# Altium PCB Copy of [PCB]_MotherBoard.PcbDoc
Units mm, origin at the board's own origin, x right, y up, seen from the top; angles counter-clockwise.
Board outline 95 x 100 mm, 2 copper layers (Top Layer, Bottom Layer); 128 components, 89 nets, 413 pads, 0 vias.
Unrouted connection lines stored in the file: 118.
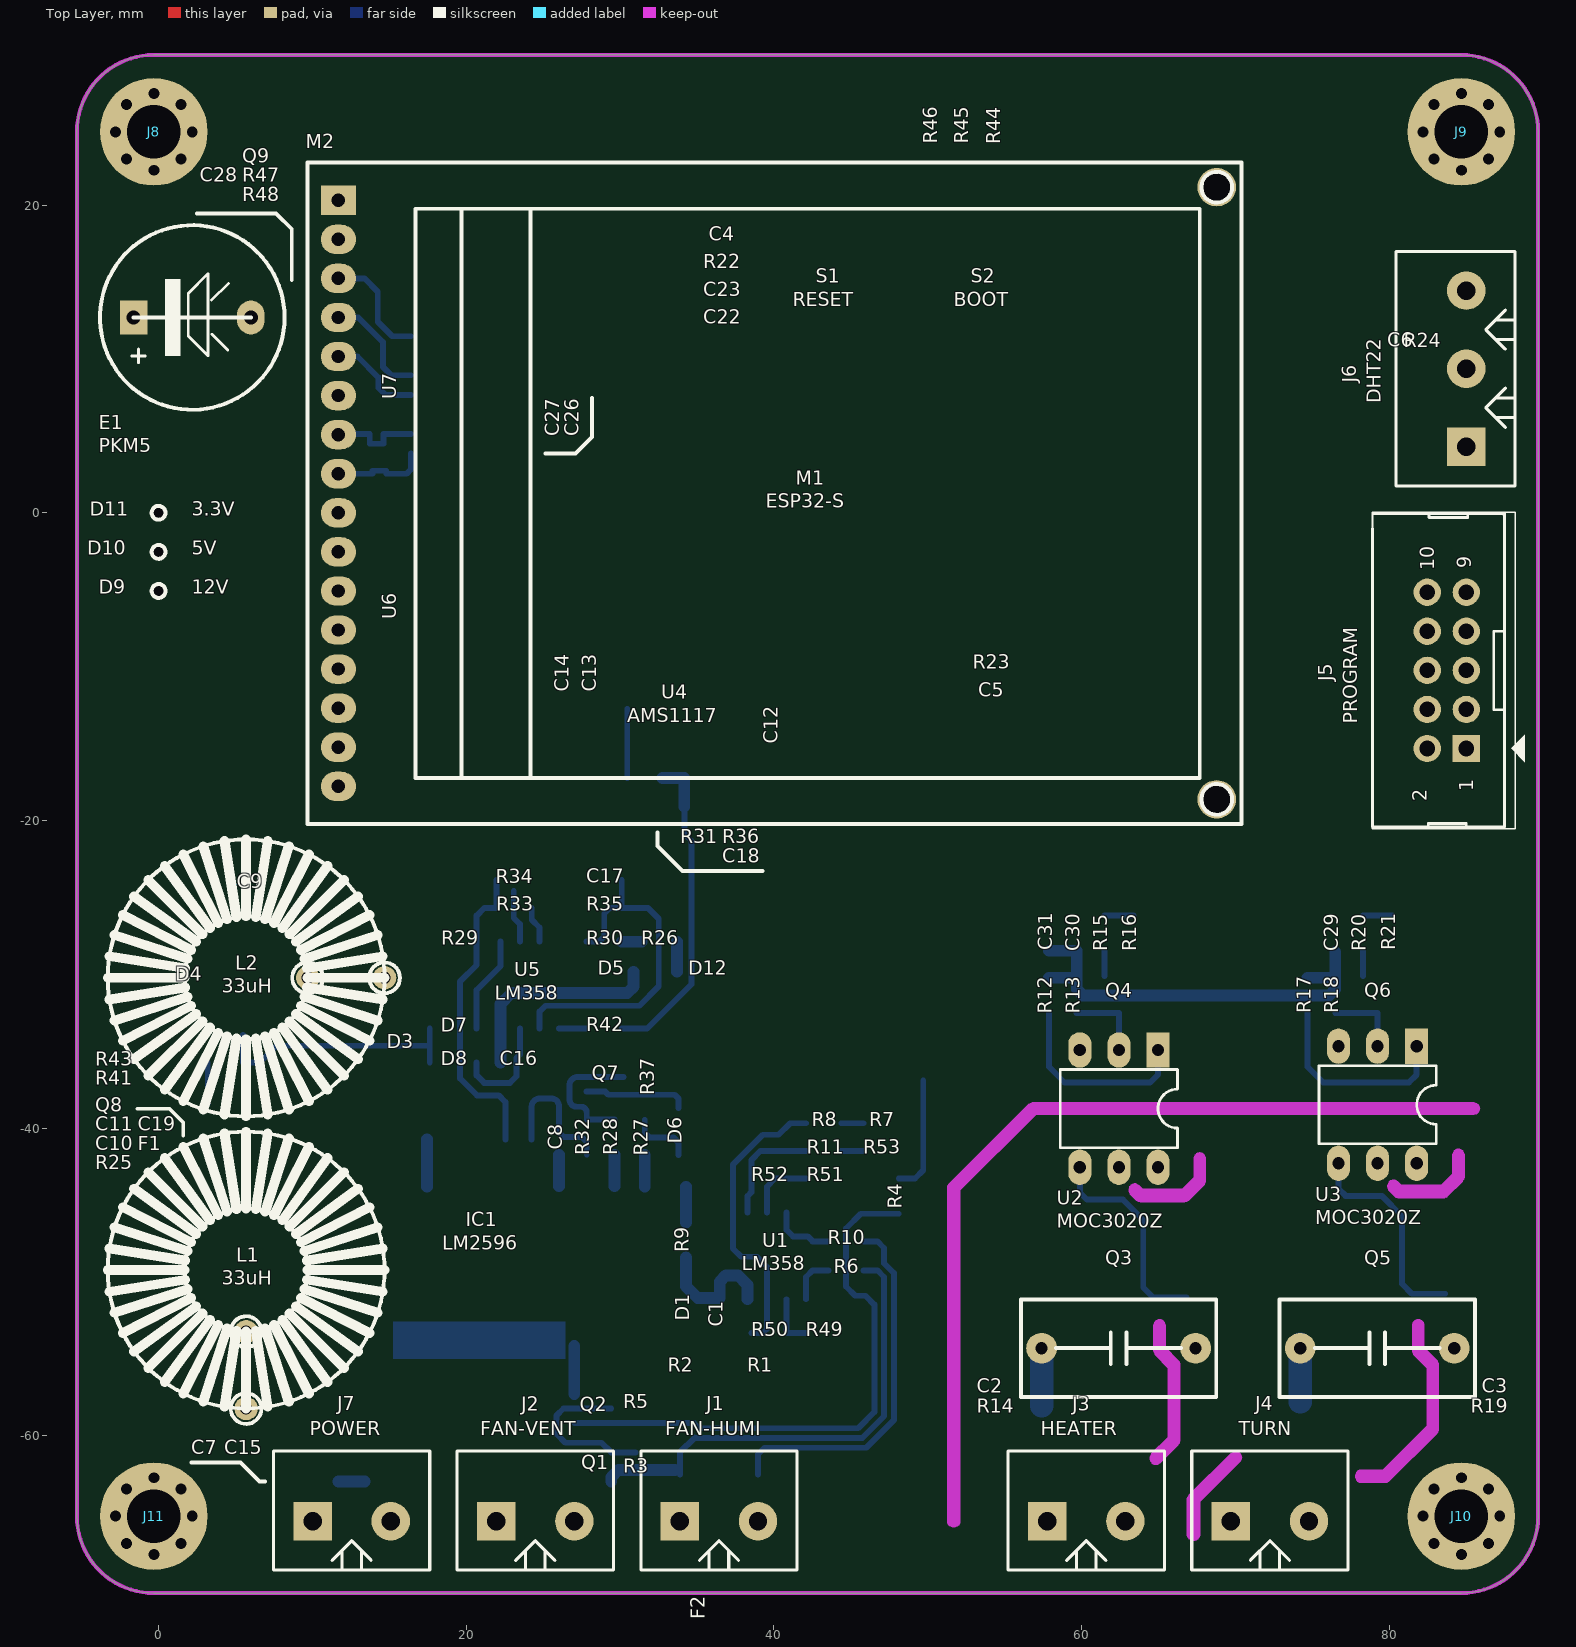
[diagram p0: Top Layer view]
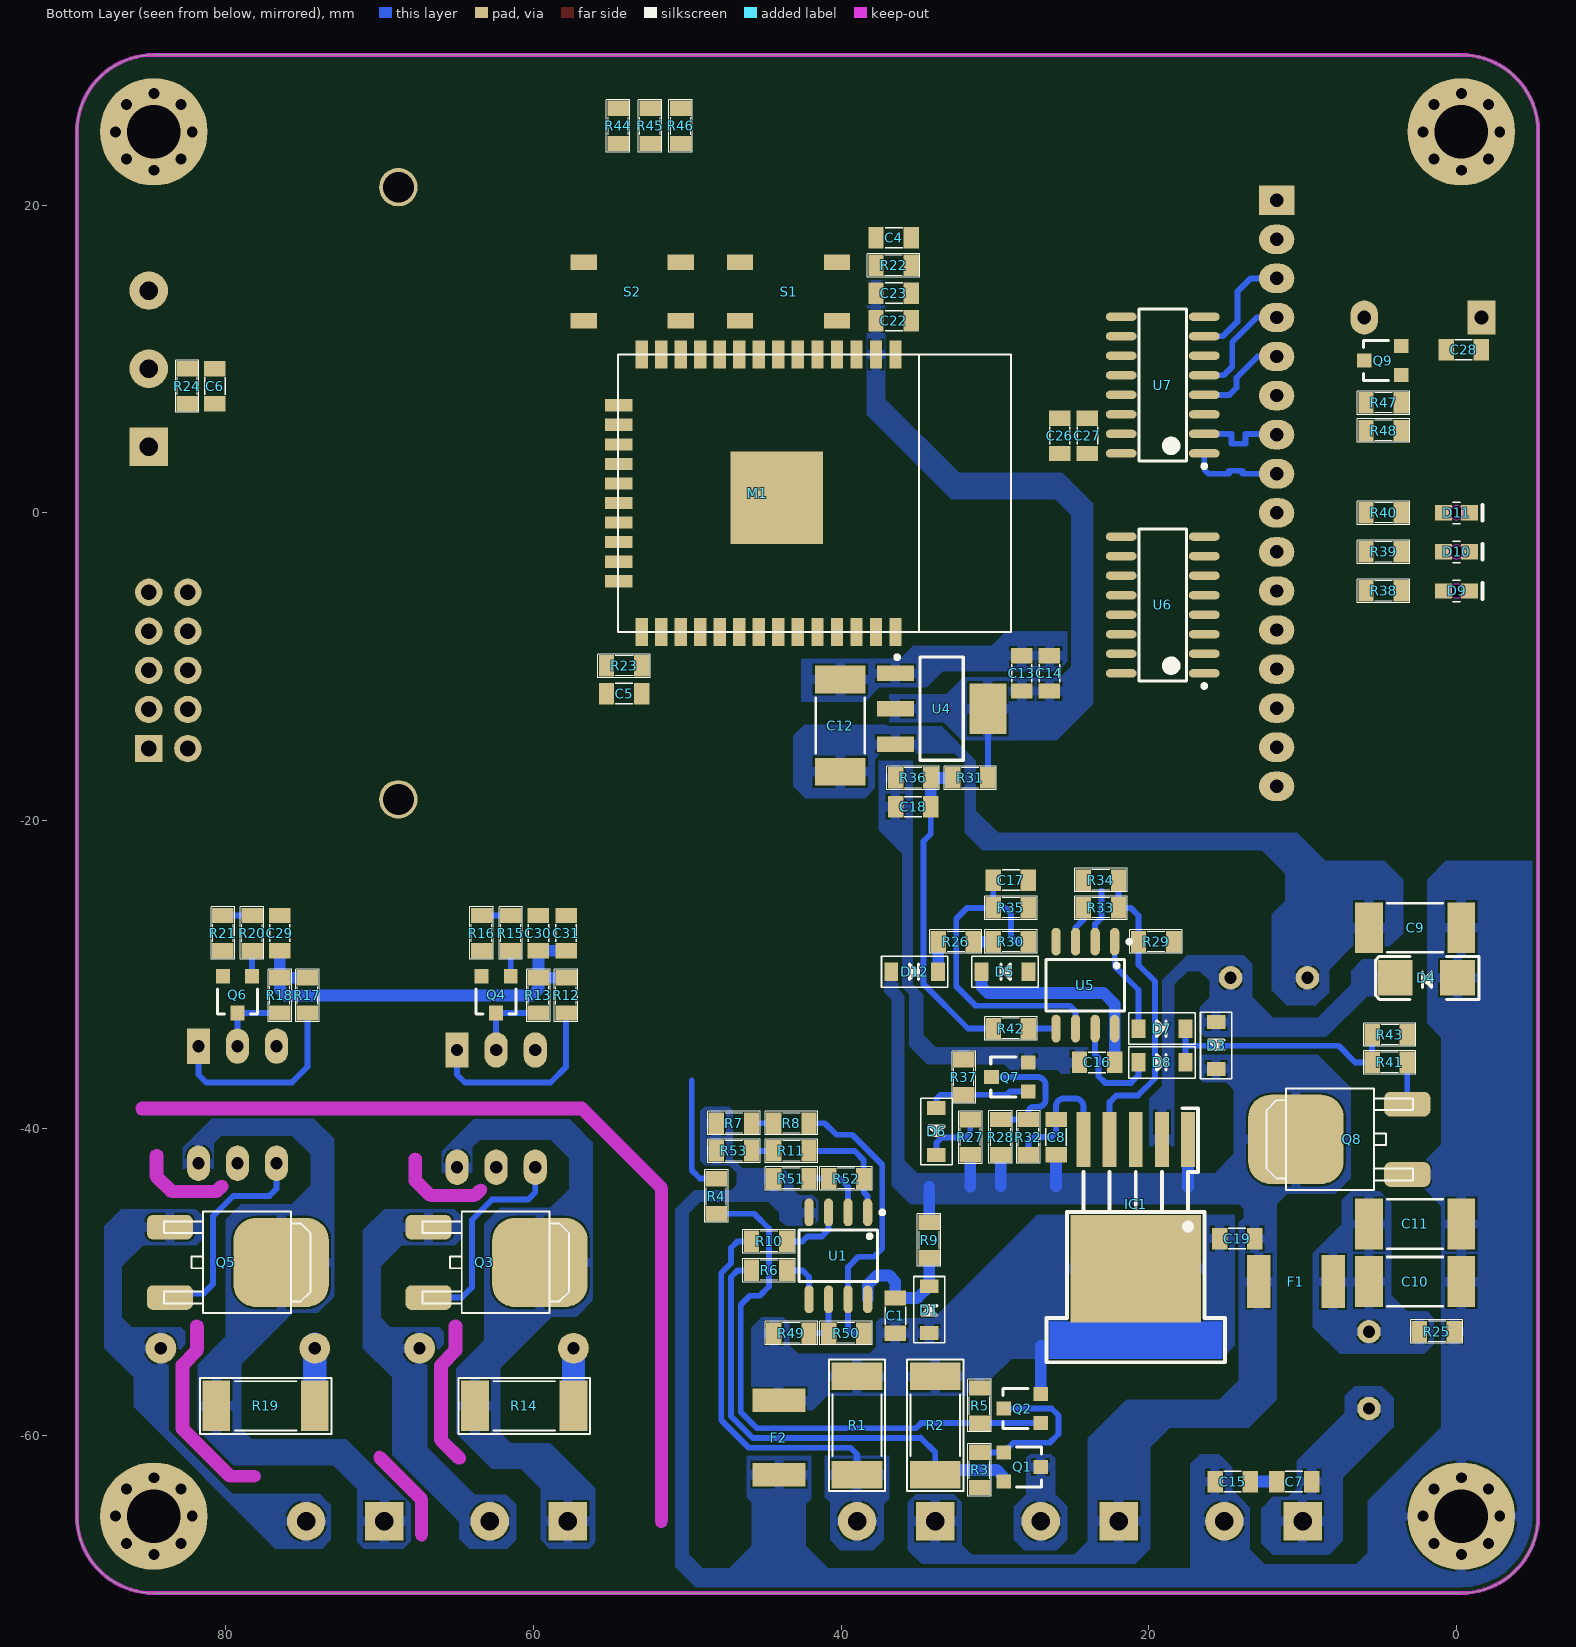
[diagram p1: Bottom Layer view, seen from below]

## Layer stack, top to bottom
Top Solder: solder mask 0.0102, Solder Resist, Dk 3.5
Top Layer: signal copper 0.0356
Dielectric 1: dielectric 0.32, FR-4, Dk 4.8
Bottom Layer: signal copper 0.0356
Bottom Solder: solder mask 0.0102, Solder Resist, Dk 3.5

## Board outline
-5.31,-65.23 -5.31,24.77 cw(c-0.31,24.77) -0.31,29.77 84.69,29.77 cw(c84.69,24.77) 89.69,24.77 89.69,-65.23 cw(c84.69,-65.23) 84.69,-70.23 -0.31,-70.23 cw(c-0.31,-65.23)
cut-out: 66.884,-66.427 66.884,-64.135 cw(c67.285,-64.135) 67.002,-63.851 69.719,-61.134 cw(c70.002,-61.417) 70.403,-61.417 cw(c70.002,-61.417) 70.286,-61.7 67.685,-64.301 67.685,-66.427 cw(c67.285,-66.427)
cut-out: 79.994,-44.064 80.336,-44.406 ccw(c80.62,-44.124) 80.62,-44.524 83.539,-44.524 ccw(c83.539,-44.124) 83.823,-44.406 84.789,-43.441 ccw(c84.506,-43.157) 84.907,-43.157 84.907,-41.762 ccw(c84.506,-41.762) 84.106,-41.762 84.106,-42.991 83.374,-43.723 80.786,-43.723 80.56,-43.498 ccw(c80.277,-43.781)
cut-out: 78.181,-63.037 79.739,-63.037 ccw(c79.739,-62.636) 80.023,-62.919 83.112,-59.829 ccw(c82.83,-59.546) 83.23,-59.546 83.23,-55.397 ccw(c82.83,-55.397) 83.112,-55.114 82.29,-54.292 82.29,-52.857 ccw(c81.89,-52.857) 81.49,-52.857 81.49,-54.458 ccw(c81.89,-54.458) 81.608,-54.741 82.43,-55.563 82.43,-59.38 79.573,-62.236 78.181,-62.236 ccw(c78.181,-62.636)
cut-out: 64.549,-61.185 ccw(c64.833,-61.468) 65.116,-61.751 66.297,-60.57 ccw(c66.015,-60.286) 66.415,-60.286 66.415,-55.397 ccw(c66.015,-55.397) 66.297,-55.114 65.475,-54.292 65.475,-52.857 ccw(c65.075,-52.857) 64.674,-52.857 64.674,-54.458 ccw(c65.075,-54.458) 64.792,-54.741 65.614,-55.563 65.614,-60.12
cut-out: 63.179,-44.314 63.521,-44.656 ccw(c63.805,-44.374) 63.805,-44.774 66.724,-44.774 ccw(c66.724,-44.374) 67.008,-44.656 67.974,-43.691 ccw(c67.691,-43.407) 68.091,-43.407 68.091,-42.012 ccw(c67.691,-42.012) 67.291,-42.012 67.291,-43.241 66.558,-43.973 63.971,-43.973 63.745,-43.748 ccw(c63.462,-44.031)
cut-out: 51.29,-65.557 51.29,-43.886 cw(c51.69,-43.886) 51.408,-43.602 56.562,-38.447 cw(c56.846,-38.73) 56.846,-38.33 85.475,-38.33 cw(c85.475,-38.73) 85.875,-38.73 cw(c85.475,-38.73) 85.475,-39.13 57.012,-39.13 52.09,-44.052 52.09,-65.557 cw(c51.69,-65.557)
cut-out: 0,-5.53 cw(c0,-5.08) -0.45,-5.08 cw(c0,-5.08) 0,-4.63 cw(c0,-5.08) 0.45,-5.08 cw(c0,-5.08)
cut-out: 0,-0.45 cw(c0,0) -0.45,0 cw(c0,0) 0,0.45 cw(c0,0) 0.45,0 cw(c0,0)
cut-out: 0,-2.99 cw(c0,-2.54) -0.45,-2.54 cw(c0,-2.54) 0,-2.09 cw(c0,-2.54) 0.45,-2.54 cw(c0,-2.54)

## Design rules (kind name [scope] priority, off if disabled: settings)
Clearance [All] p1: gap=0.254 ignorepadtopadclearanceinfootprint=FALSE except(0: Arc-Hole Track-Hole SMDPad-Hole THPad-Hole Via-Hole Fill-Hole Poly-Hole Region-Hole Text-Hole)
PolygonConnect [All] p1: connectstyle=Relief reliefconductorwidth=0.635 reliefentries=4 polygonreliefangle="90 Angle" airgapwidth=0.127
RoutingVias [All] p1: holewidth=0.711 width=1.27 viastyle="Through Hole" minholewidth=0.711 minwidth=1.27 maxholewidth=0.711 maxwidth=1.27
SolderMaskExpansion [All] p1: expansion=0.102
Width [All] p1: maxlimit=1.524 minlimit=0.381 preferedwidth=0.762 minimp=50.000000 maximp=50.000000 favimp=50.000000
30 further rules are at their usual default settings.

## Classes and differential pairs
net class "ADC_DATA - 150mil": LCD_OE LCD_RCLK LCD_SER LCD_SRCLK
component class [SCH]_Power: C7 C8 C9 C10 C11 C12 C13 C14 C15 C16 C17 C18 C19 C22 C23 C26 C27 C28 C29 C30 C31 D3 D4 D5 D6 D7 D8 D9 D10 D11 F1 IC1 J7 J8 J9 J10 J11 L1 L2 M1 Q7 Q8 R25 R26 R27 R28 R29 R30 R31 R32 R33 R34 R35 R36 R37 R38 R39 R40 R41 R42 R43 U4 U5
component class [SCH]_MainProcessor: C4 C5 C6 J5 J6 R22 R23 R24 S1 S2
component class [SCH]_IO: C1 C2 C3 D1 J1 J2 J3 J4 Q1 Q2 Q3 Q4 Q5 Q6 R1 R2 R3 R4 R5 R6 R7 R8 R9 R10 R11 R12 R13 R14 R15 R16 R17 R18 R19 R20 R21 R49 R50 R51 R52 R53 U1 U2 U3
component class [SCH]_HMI: E1 M2 Q9 R44 R45 R46 R47 R48 U6 U7

## Components (designator, comment, footprint, x,y, rotation, side; value= is the part's Value field where it differs from the comment)
C1 "104" CAP-SMD-0805 36.482,-52.187 r90 bottom
C2 "104" Cap-Mica-10-6.2x12.5x10.5 62.409,-54.307 r180 top
C3 "104" Cap-Mica-10-6.2x12.5x10.5 79.225,-54.307 r180 top
C4 "103" CAP-SMD-0805 36.595,17.887 r0 bottom
C5 "103" CAP-SMD-0805 54.12,-11.747 r180 bottom
C6 "102" CAP-SMD-0805 80.717,8.226 r270 bottom
C7 "104" CAP-SMD-0805 10.551,-62.98 r180 bottom
C8 "104" CAP-SMD-0805 26.033,-40.583 r270 bottom
C9 "226" CAP-SMD-2512 2.69,-26.98 r180 bottom
C10 "226" CAP-SMD-2512 2.69,-49.98 r180 bottom
C11 "226" CAP-SMD-2512 2.69,-46.23 r180 bottom
C12 "226" CAP-SMD-2512 40.067,-13.835 r90 bottom
C13 "105" CAP-SMD-0805 28.267,-10.442 r270 bottom
C14 "103" CAP-SMD-0805 26.467,-10.442 r270 bottom
C15 "104" CAP-SMD-0805 14.551,-62.98 r180 bottom
C16 "104" CAP-SMD-0805 23.366,-35.73 r180 bottom
C17 "104" CAP-SMD-0805 28.973,-23.88 r0 bottom
C18 "104" CAP-SMD-0805 35.324,-19.105 r180 bottom
C19 "104" CAP-SMD-0805 14.258,-47.181 r180 bottom
C22 "104" CAP-SMD-0805 36.595,12.487 r0 bottom
C23 "106" CAP-SMD-0805 36.595,14.287 r0 bottom
C26 "104" CAP-SMD-0805 25.8,5.003 r270 bottom
C27 "106" CAP-SMD-0805 24,5.003 r270 bottom
C28 "106" CAP-SMD-0805 -0.477,10.602 r180 bottom
C29 "104" CAP-SMD-0805 76.499,-27.32 r270 bottom
C30 "104" CAP-SMD-0805 59.683,-27.32 r270 bottom
C31 "106" CAP-SMD-0805 57.883,-27.32 r270 bottom
D1 "6V" DIO-SMD-123 34.282,-51.806 r270 bottom value=24.4V
D3 "1N4001" DIO-SMD-123 15.629,-34.63 r90 bottom
D4 "BAT60" DIO-SMD-106 1.965,-30.23 r180 bottom
D5 "6V" DIO-SMD-123 29.354,-29.835 r180 bottom value=24.4V
D6 "9V" DIO-SMD-123 33.808,-40.22 r90 bottom value=24.4V
D7 "1N4001" DIO-SMD-123 19.153,-33.53 r0 bottom
D8 "1N4001" DIO-SMD-123 19.153,-35.73 r0 bottom
D9 "12V" LED0603-IPC 0,-5.08 r0 bottom
D10 "5V" LED0603-IPC 0,-2.54 r0 bottom
D11 "3.3V" LED0603-IPC 0,0 r0 bottom
D12 "1N4001" DIO-SMD-123 35.223,-29.835 r0 bottom (schematic designator D7)
E1 "PKM5" BUZZER -1.62,12.7 r0 top
F1 "2A" "Fuse-SMD 1813" 10.44,-49.98 r0 bottom
F2 "2A" "Fuse-SMD 1813" 44.05,-60.117 r90 bottom (schematic designator F1)
IC1 "LM2596" TO263 20.853,-49.15 r0 bottom
J1 "FAN-HUMI" KF2/5.08 36.43,-65.557 r0 top
J2 "FAN-VENT" KF2/5.08 24.491,-65.557 r0 top
J3 "HEATER" KF2/5.08 60.309,-65.557 r0 top
J4 "TURN" KF2/5.08 72.249,-65.557 r0 top
J5 "PROGRAM" IDC10 83.62,-10.242 r90 top
J6 "DHT22" KF3/5.08 85.017,9.369 r90 top
J7 "POWER" KF2/5.08 12.551,-65.557 r0 top
J8 "MASS 3MM" MY_PAD_3MM -0.31,24.77 r0 top
J9 "MASS 3MM" MY_PAD_3MM 84.69,24.77 r0 top
J10 "MASS 3MM" MY_PAD_3MM 84.69,-65.23 r0 top
J11 "MASS 3MM" MY_PAD_3MM -0.31,-65.23 r0 top
L1 "33uH" 5026_INDUCTOR 5.69,-49.23 r90 top
L2 "33uH" 5026_INDUCTOR 5.69,-30.23 r180 top
M1 "ESP32-S" ESP32-S-Footprint 54.501,10.287 r270 bottom
M2 "ST7775R" LCD_176X220_MODULE 16.69,19.77 r270 top
Q1 "AO3416" SOT23(123) 28.231,-62.03 r270 bottom
Q2 "NPN" SOT23(123) 28.231,-58.23 r90 bottom
Q3 "BT137" TO252AA 62.765,-48.73 r270 bottom
Q4 "C1815" SOT23(123) 62.433,-31.32 r0 bottom
Q5 "BT137" TO252AA 79.58,-48.73 r270 bottom
Q6 "C1815" SOT23(123) 79.249,-31.32 r0 bottom
Q7 "C1815" SOT23(123) 29.03,-36.68 r90 bottom
Q8 "BT136" TO252AA 7.265,-40.73 r90 bottom
Q9 "C1815" SOT23(123) 4.8,9.9 r90 bottom
R1 "RES-2512-4.7R" RES-SMD-2512 38.97,-59.33 r270 bottom value=1.0
R2 "RES-2512-4.7R" RES-SMD-2512 33.89,-59.33 r270 bottom value=1.0
R3 "RES-2512-4.7R" RES-SMD-0805 31.005,-62.223 r270 bottom value=10K
R4 "RES-2512-4.7R" RES-SMD-0805 48.121,-44.423 r90 bottom value=1K
R5 "RES-2512-4.7R" RES-SMD-0805 31.005,-58.037 r90 bottom value=10K
R6 "RES-2512-4.7R" RES-SMD-0805 44.692,-49.247 r180 bottom value=1K
R7 "RES-2512-4.7R" RES-SMD-0805 46.978,-39.68 r0 bottom value=10K
R8 "RES-2512-4.7R" RES-SMD-0805 43.235,-39.68 r0 bottom value=10K
R9 "R0805" RES-SMD-0805 34.282,-47.276 r90 bottom value=220
R10 "RES-2512-4.7R" RES-SMD-0805 44.692,-47.363 r180 bottom value=1K
R11 "RES-2512-4.7R" RES-SMD-0805 43.235,-41.48 r0 bottom value=10K
R12 "RES-2512-4.7R" RES-SMD-0805 57.883,-31.377 r90 bottom value=47
R13 "RES-2512-4.7R" RES-SMD-0805 59.683,-31.377 r270 bottom value=4.7K
R14 "RES" RES-SMD-2512 60.605,-58.057 r0 bottom value=39
R15 "RES-2512-4.7R" RES-SMD-0805 61.483,-27.32 r270 bottom value=1K
R16 "RES-2512-4.7R" RES-SMD-0805 63.383,-27.32 r270 bottom value=10K
R17 "RES-2512-4.7R" RES-SMD-0805 74.699,-31.377 r90 bottom value=47
R18 "RES-2512-4.7R" RES-SMD-0805 76.499,-31.377 r270 bottom value=4.7K
R19 "RES" RES-SMD-2512 77.421,-58.057 r0 bottom value=39
R20 "RES-2512-4.7R" RES-SMD-0805 78.299,-27.32 r270 bottom value=1K
R21 "RES-2512-4.7R" RES-SMD-0805 80.199,-27.32 r270 bottom value=10K
R22 "R0805" RES-SMD-0805 36.594,16.087 r180 bottom value=10K
R23 "R0805" RES-SMD-0805 54.121,-9.947 r0 bottom value=10K
R24 "R0805" RES-SMD-0805 82.517,8.226 r270 bottom value=10K
R25 "R0805" RES-SMD-0805 1.285,-53.23 r0 bottom value=1K
R26 "R0805" RES-SMD-0805 32.556,-27.88 r0 bottom value=220
R27 "R0805" RES-SMD-0805 31.608,-40.601 r270 bottom value=10K
R28 "R0805" RES-SMD-0805 29.633,-40.583 r270 bottom value=47K
R29 "R0805" RES-SMD-0805 19.534,-27.88 r180 bottom value=10K
R30 "R0805" RES-SMD-0805 28.973,-27.88 r0 bottom value=10K
R31 "R0805" RES-SMD-0805 31.61,-17.235 r180 bottom value=10K
R32 "R0805" RES-SMD-0805 27.833,-40.583 r90 bottom value=47K
R33 "R0805" RES-SMD-0805 23.117,-25.68 r180 bottom value=10K
R34 "R0805" RES-SMD-0805 23.117,-23.88 r180 bottom value=10K
R35 "R0805" RES-SMD-0805 28.973,-25.68 r0 bottom value=10K
R36 "R0805" RES-SMD-0805 35.324,-17.235 r180 bottom value=10K
R37 "R0805" RES-SMD-0805 32.03,-36.691 r270 bottom value=10K
R38 "R0805" RES-SMD-0805 4.743,-5.08 r180 bottom value=10K
R39 "R0805" RES-SMD-0805 4.743,-2.54 r180 bottom value=10K
R40 "R0805" RES-SMD-0805 4.743,0 r0 bottom value=10K
R41 "R0805" RES-SMD-0805 4.344,-35.73 r180 bottom value=100
R42 "R0805" RES-SMD-0805 28.973,-33.53 r180 bottom value=10K
R43 "R0805" RES-SMD-0805 4.344,-33.93 r0 bottom value=330
R44 "RES-2512-4.7R" RES-SMD-0805 54.501,25.149 r90 bottom value=10K
R45 "RES-2512-4.7R" RES-SMD-0805 52.431,25.149 r90 bottom value=10K
R46 "RES-2512-4.7R" RES-SMD-0805 50.437,25.149 r90 bottom value=10K
R47 "RES-2512-4.7R" RES-SMD-0805 4.743,7.15 r180 bottom value=1K
R48 "RES-2512-4.7R" RES-SMD-0805 4.743,5.35 r180 bottom value=10K
R49 "RES-2512-4.7R" RES-SMD-0805 43.235,-53.33 r180 bottom value=1K
R50 "RES-2512-4.7R" RES-SMD-0805 39.679,-53.33 r180 bottom value=6K8
R51 "RES-2512-4.7R" RES-SMD-0805 43.235,-43.28 r180 bottom value=1K
R52 "RES-2512-4.7R" RES-SMD-0805 39.679,-43.28 r180 bottom value=6K8
R53 "RES-2512-4.7R" RES-SMD-0805 46.978,-41.48 r0 bottom value=10K
S1 "RESET" TL3342F260QG 43.427,14.387 r0 bottom
S2 "BOOT" TL3342F260QG 53.587,14.387 r0 bottom
U1 "LM358" SOIC-8S 40.187,-48.305 r270 bottom
U2 "MOC3020Z" DIP6 62.433,-38.73 r180 top
U3 "MOC3020Z" DIP6 79.249,-38.48 r180 top
U4 "AMS1117" SOT223(1234) 33.467,-12.735 r270 bottom
U5 "LM358" SOIC-8S 24.128,-30.705 r270 bottom
U6 "74595" SOIC-16S 19.1,-5.99 r0 bottom
U7 "74595" SOIC-16S 19.1,8.305 r0 bottom

## Footprints (in the part's own frame and the unit in brackets; to place one, negate y for a bottom-side part, rotate by r counter-clockwise, add the part's x,y. Pads: shape width x height; smd on the part's side, far side on the other; paste and mask are expansions set on the pad)
5026_INDUCTOR [mm]
  round 1.524 hole 0.8: 1(-9,0) 2(-4,0)
  silkscreen extent -10,-9 9,9
BUZZER [mm]
  rect 1.8x2.2 hole 0.9: A(0,0)
  oval 1.8x2.2 hole 0.9: K(7.62,0)
  silkscreen extent -2.19,-6 9.81,6, body extent -2.19,-6 9.81,6, height 9
Cap-Mica-10-6.2x12.5x10.5 [mm]
  round 2 hole 0.8: 1(-5.004,0) 2(5.004,0)
  silkscreen extent -6.35,-3.18 6.35,3.18, body extent -6.25,-3.1 6.25,3.1, height 10.49
CAP-SMD-0805 [mil]
  rect 39.37x55 smd: 1(-45,0) 2(45,0)
  silkscreen extent -23,-26 22,26, body extent -39,-25 39,25, height 30
CAP-SMD-2512 [mm] "Chip Capacitor, Body 3.2x2.5mm, IPC Medium Density"
  rect 1.8x3.3 smd: 1(-3,0) 2(3,0)
  silkscreen extent -1.8,-1.6 1.8,1.6, body extent -3.47,-1.61 3.47,1.61, height 3.21
DIO-SMD-106 [mil]
  rect 90x90.55 smd: 1(80,0) 2(-80,0)
  silkscreen extent -130,-55 135,55, body extent -99,-50 106,52, height 95
DIO-SMD-123 [mm]
  rect 0.9x1.2 smd: 1(1.524,0) 2(-1.524,0)
  silkscreen extent -2.16,-1.02 2.16,1.02, body extent -1.76,-0.8 1.94,0.8, height 1.25
DIP6 [mm]
  rect 1.5x2.3 hole 0.8: 1(-2.54,-3.81)
  oval 1.5x2.3 hole 0.8: 2(0,-3.81) 3(2.54,-3.81) 4(2.54,3.81) 5(0,3.81) 6(-2.54,3.81)
  silkscreen extent -3.81,-2.54 3.81,2.54, body extent -4.02,-4 4.06,4, height 4.31
ESP32-S-Footprint [mm]
  rect 1.8x0.8 smd: 1(0,18.034) 2(0,16.764) 3(0,15.494) 4(0,14.224) 5(0,12.954) 6(0,11.684) 7(0,10.414) 8(0,9.144) 9(0,7.874) 10(0,6.604) 11(0,5.334) 12(0,4.064) 13(0,2.794) 14(0,1.524) 25(18.034,1.524) 26(18.034,2.794) 27(18.034,4.064) 28(18.034,5.334) 29(18.034,6.604) 30(18.034,7.874) 31(18.034,9.144) 32(18.034,10.414) 33(18.034,11.684) 34(18.034,12.954) 35(18.034,14.224) 36(18.034,15.494) 37(18.034,16.764) 38(18.034,18.034)
  rect 0.8x1.8 smd: 15(3.3,0.034) 16(4.57,0.034) 17(5.84,0.034) 18(7.11,0.034) 19(8.38,0.034) 20(9.65,0.034) 21(10.92,0.034) 22(12.19,0.034) 23(13.46,0.034) 24(14.73,0.034)
  rect 6x6 smd: 101(9.3,10.3)
  silkscreen extent 0,0 18.03,25.53, body extent 0,0 18.03,25.53, height 2
"Fuse-SMD 1813" [mil]
  rect 60x135 smd: 1(-95,0) 2(95,0)
  body extent -93,-67 93,67, height 53
IDC10 [mil]
  rect 70x70 hole 40: 1(-200,-55)
  round 70 hole 40: 2(-200,45) 3(-100,-55) 4(-100,45) 5(0,-55) 6(0,45) 7(100,-55) 8(100,45) 9(200,-55) 10(200,45)
  silkscreen extent -405,-205 405,186, body extent -400,-178 400,180, height 366
KF2/5.08 [mm]
  rect 2.5x2.5 hole 1.2: 1(-2.54,0)
  round 2.5 hole 1.2: 2(2.54,0)
  silkscreen extent -5.08,-3.17 5.08,4.57, body extent -5.6,-3 5,4.6, height 10.1
KF3/5.08 [mm]
  rect 2.5x2.5 hole 1.2: 1(-5.08,0)
  round 2.5 hole 1.2: 2(0,0) 3(5.08,0)
  silkscreen extent -7.62,-3.18 7.62,4.57, body extent -8.1,-3 7.5,4.6, height 10.1